# Altium PCB smoothieboard-5driver.PcbDoc (part 1 of 5)
Units mm, origin at the board's own origin, x right, y up, seen from the top; angles counter-clockwise.
Board outline 129.55 x 105.03 mm, 4 copper layers (Top, Route2, Route15, Bottom), stack 1.46 mm thick; 318 components, 238 nets, 1069 pads, 669 vias.
Unrouted connection lines stored in the file: 1.
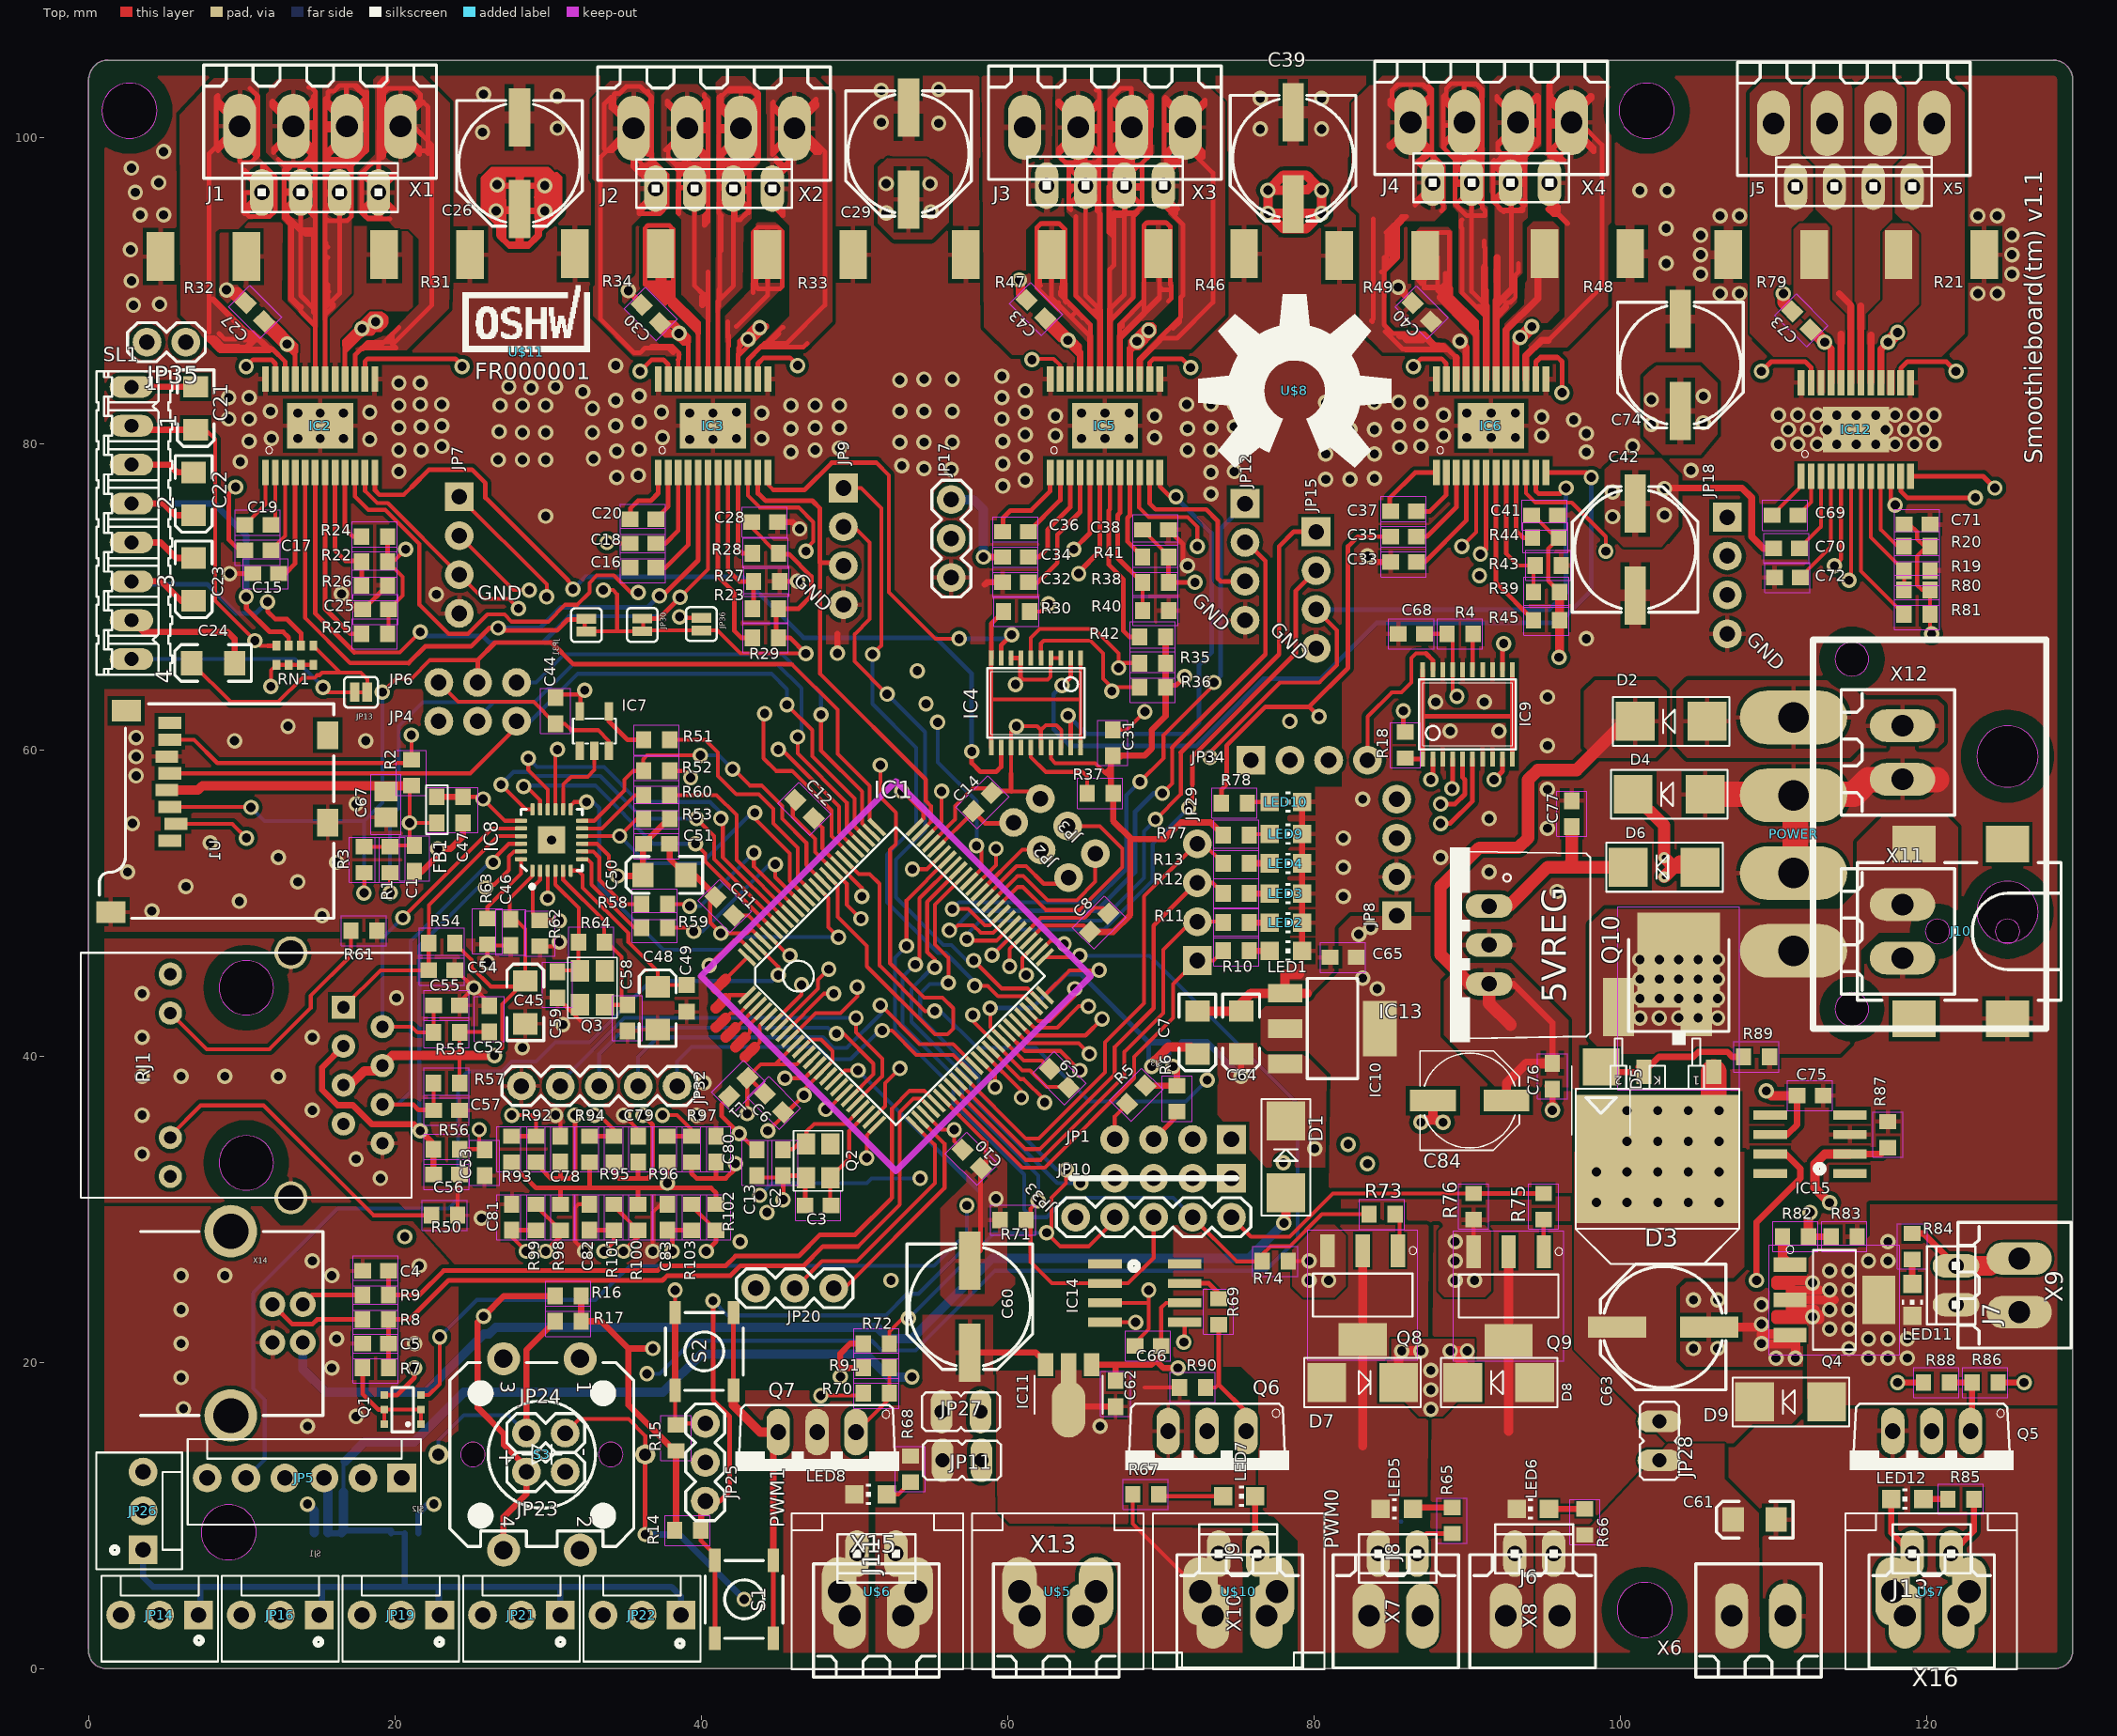
[diagram p0: Top view]
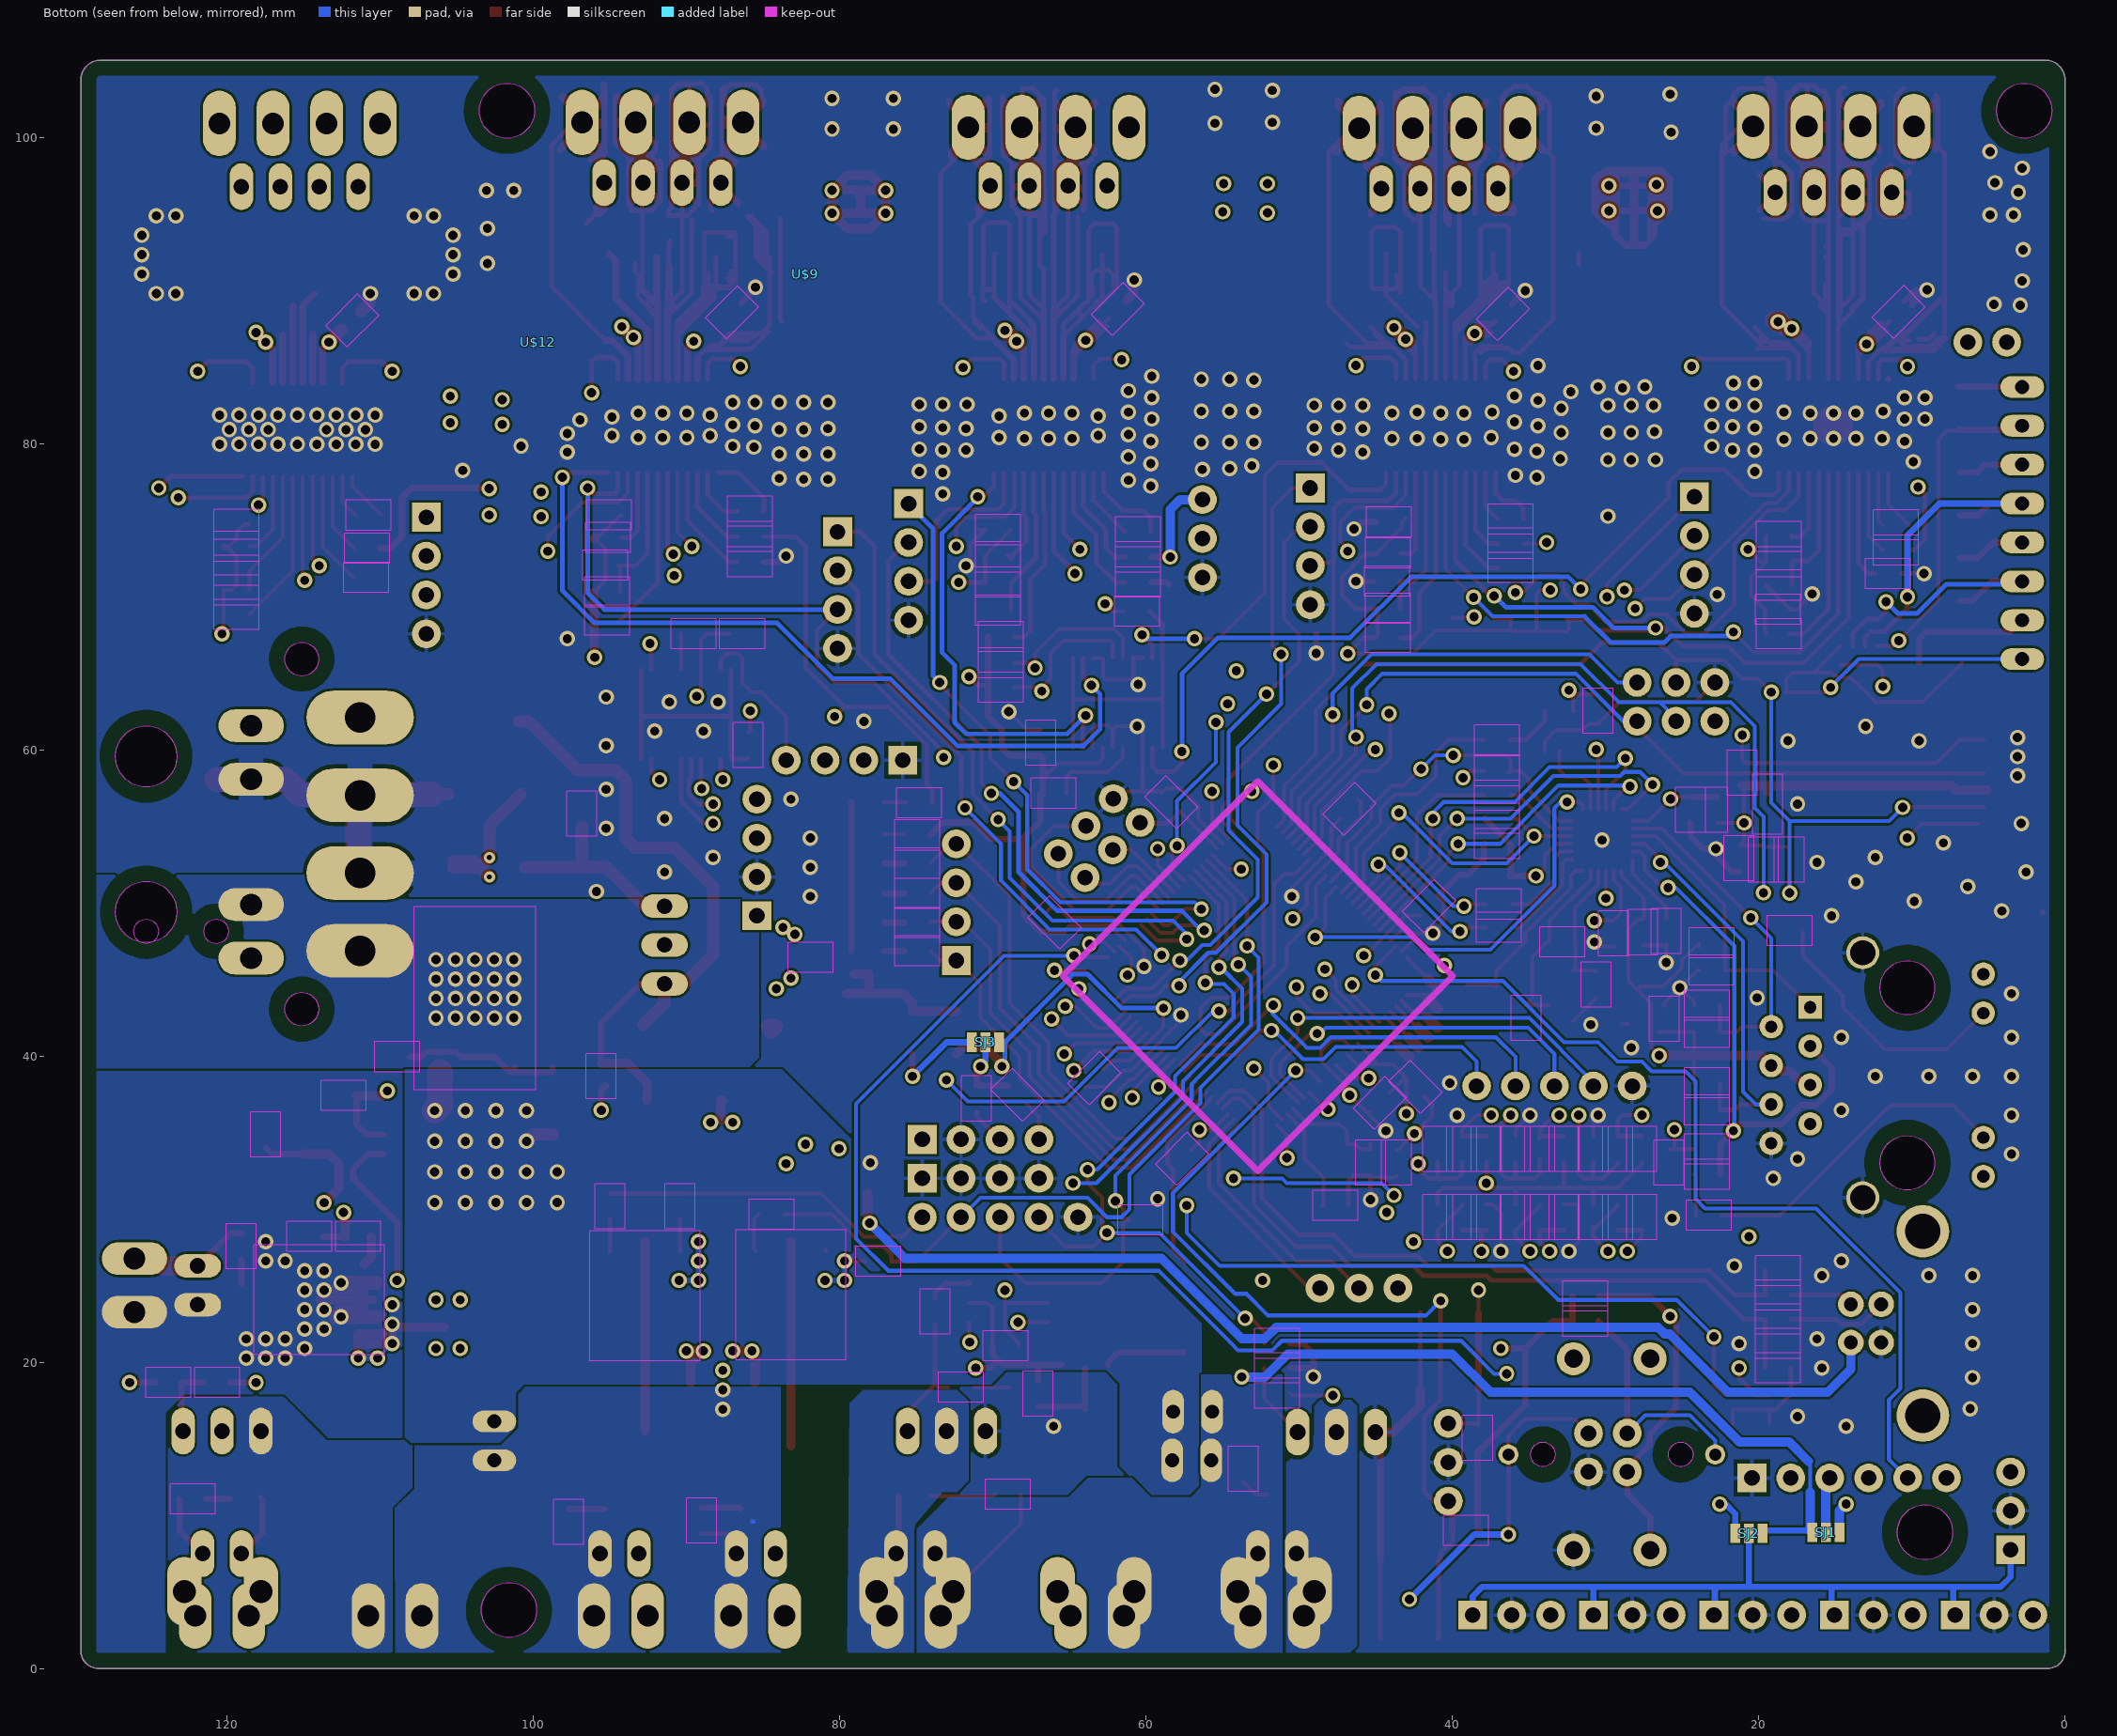
[diagram p1: Bottom view, seen from below]
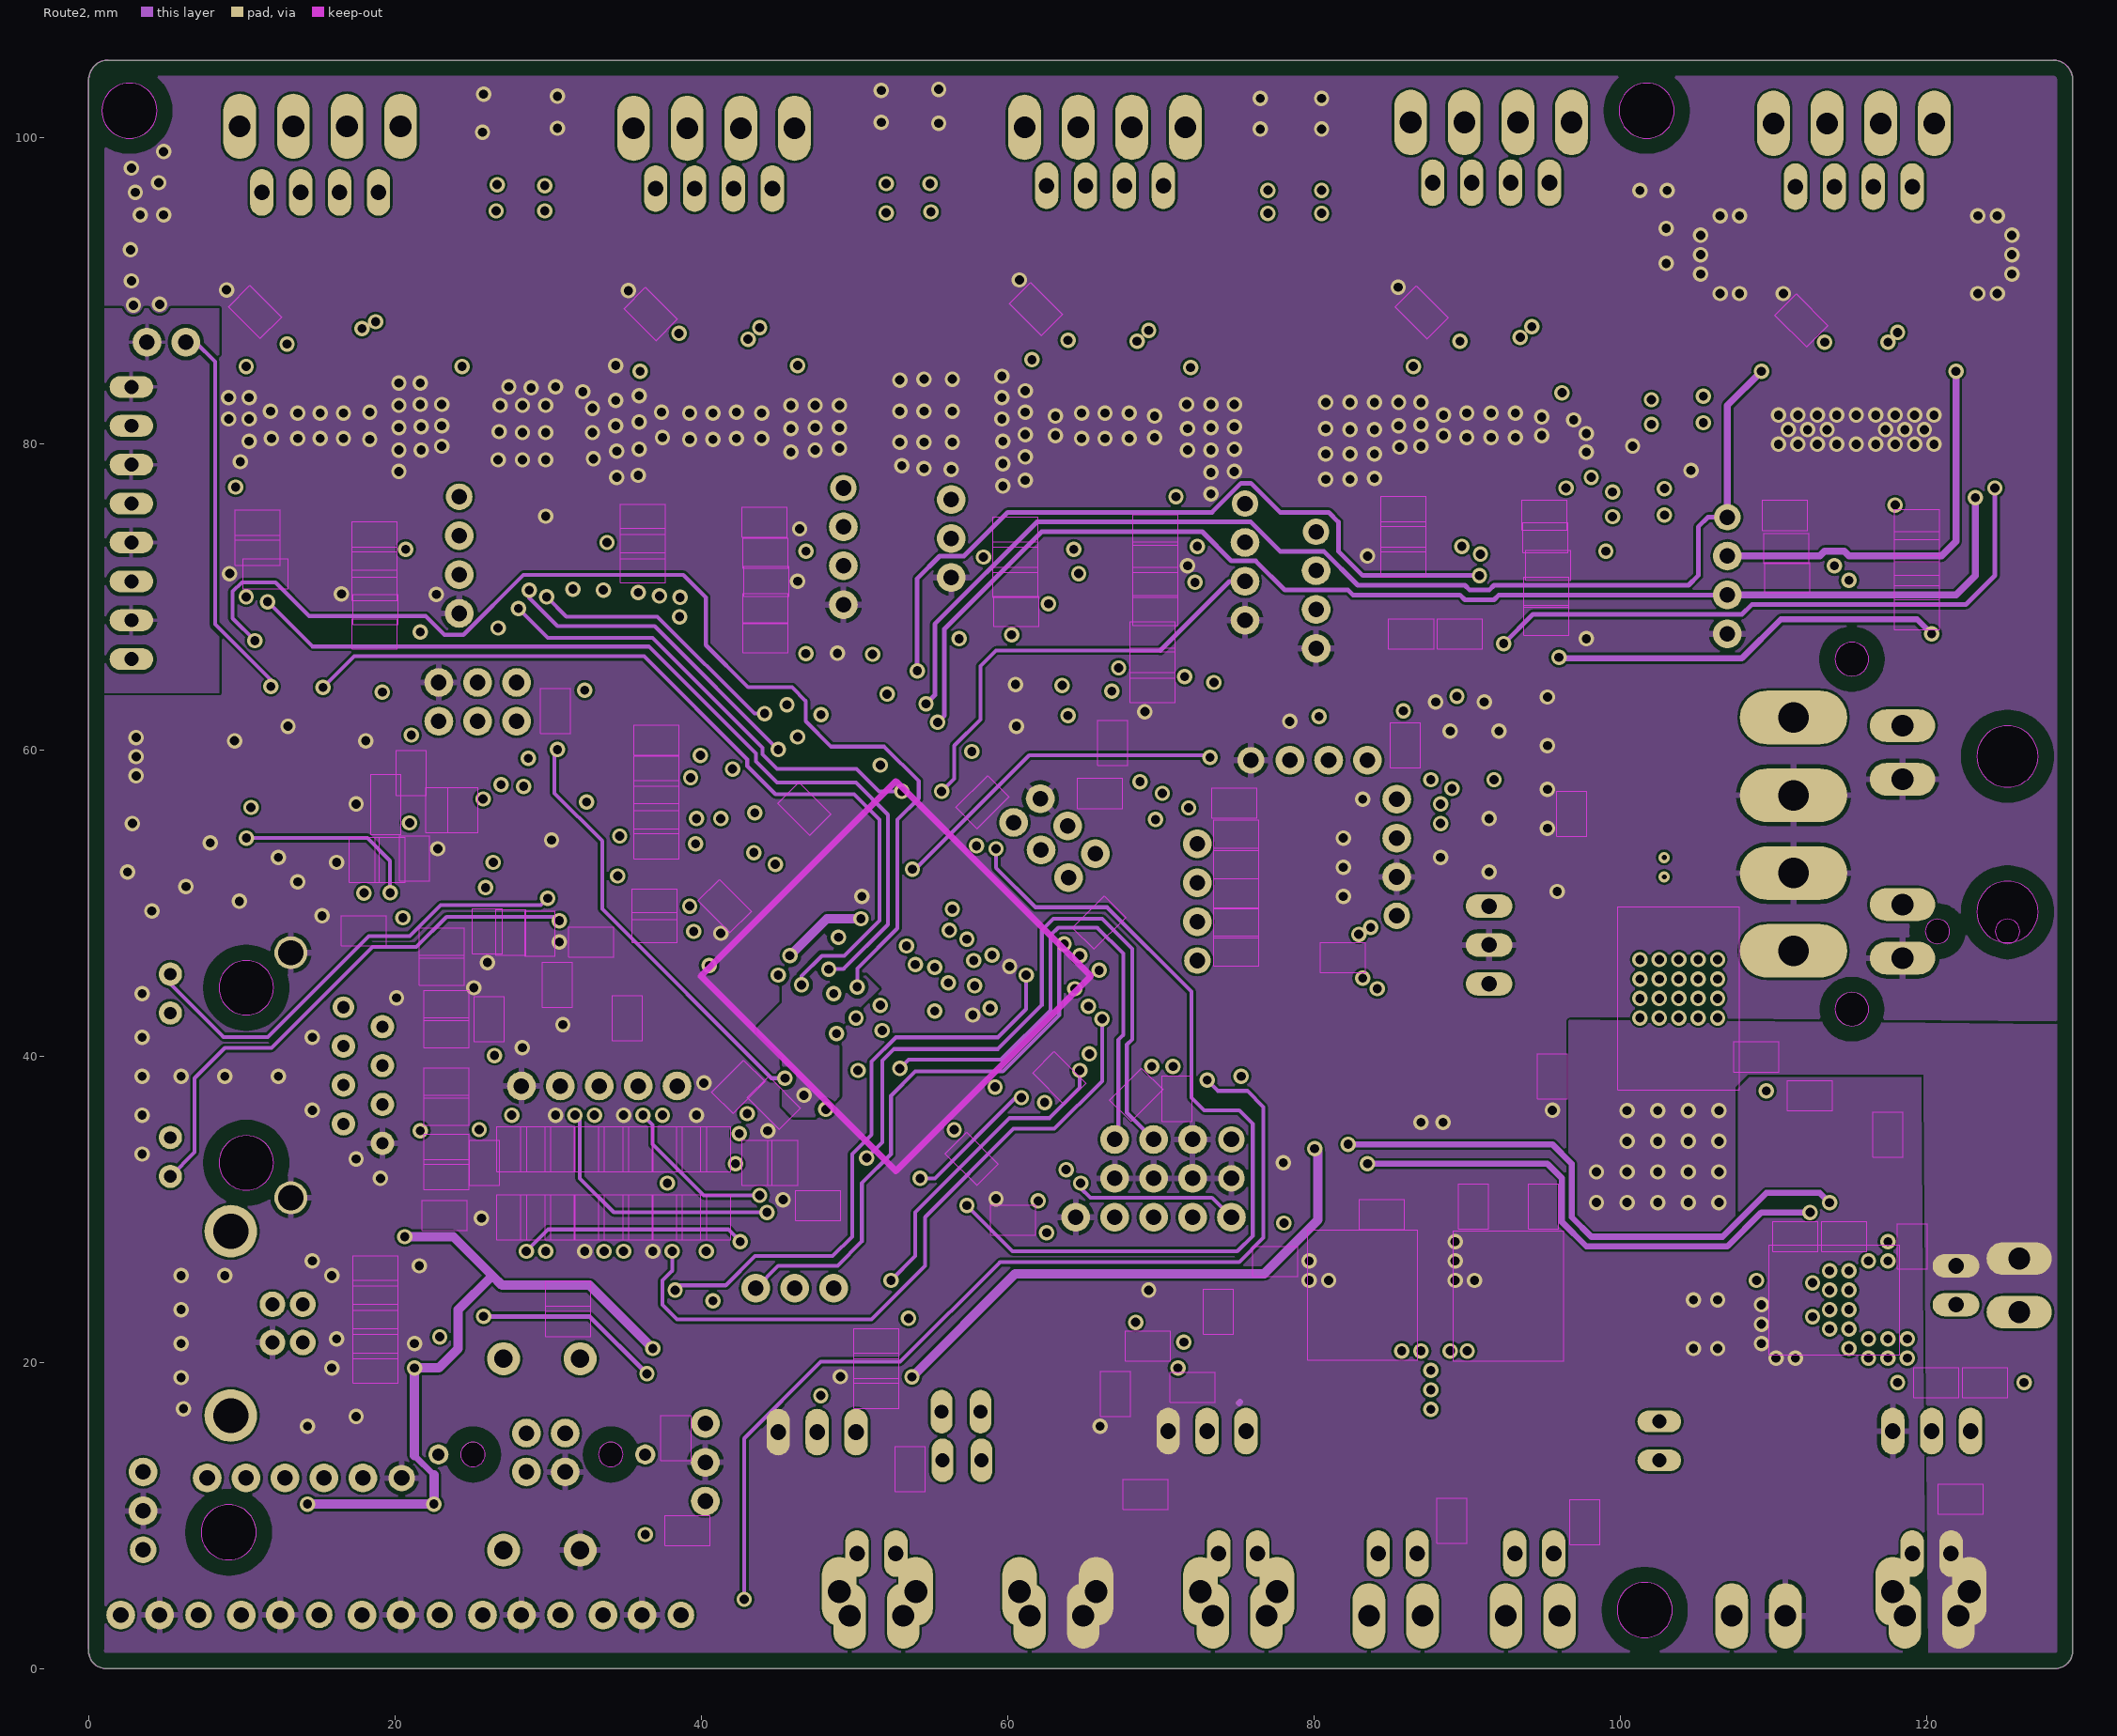
[diagram p2: Route2]
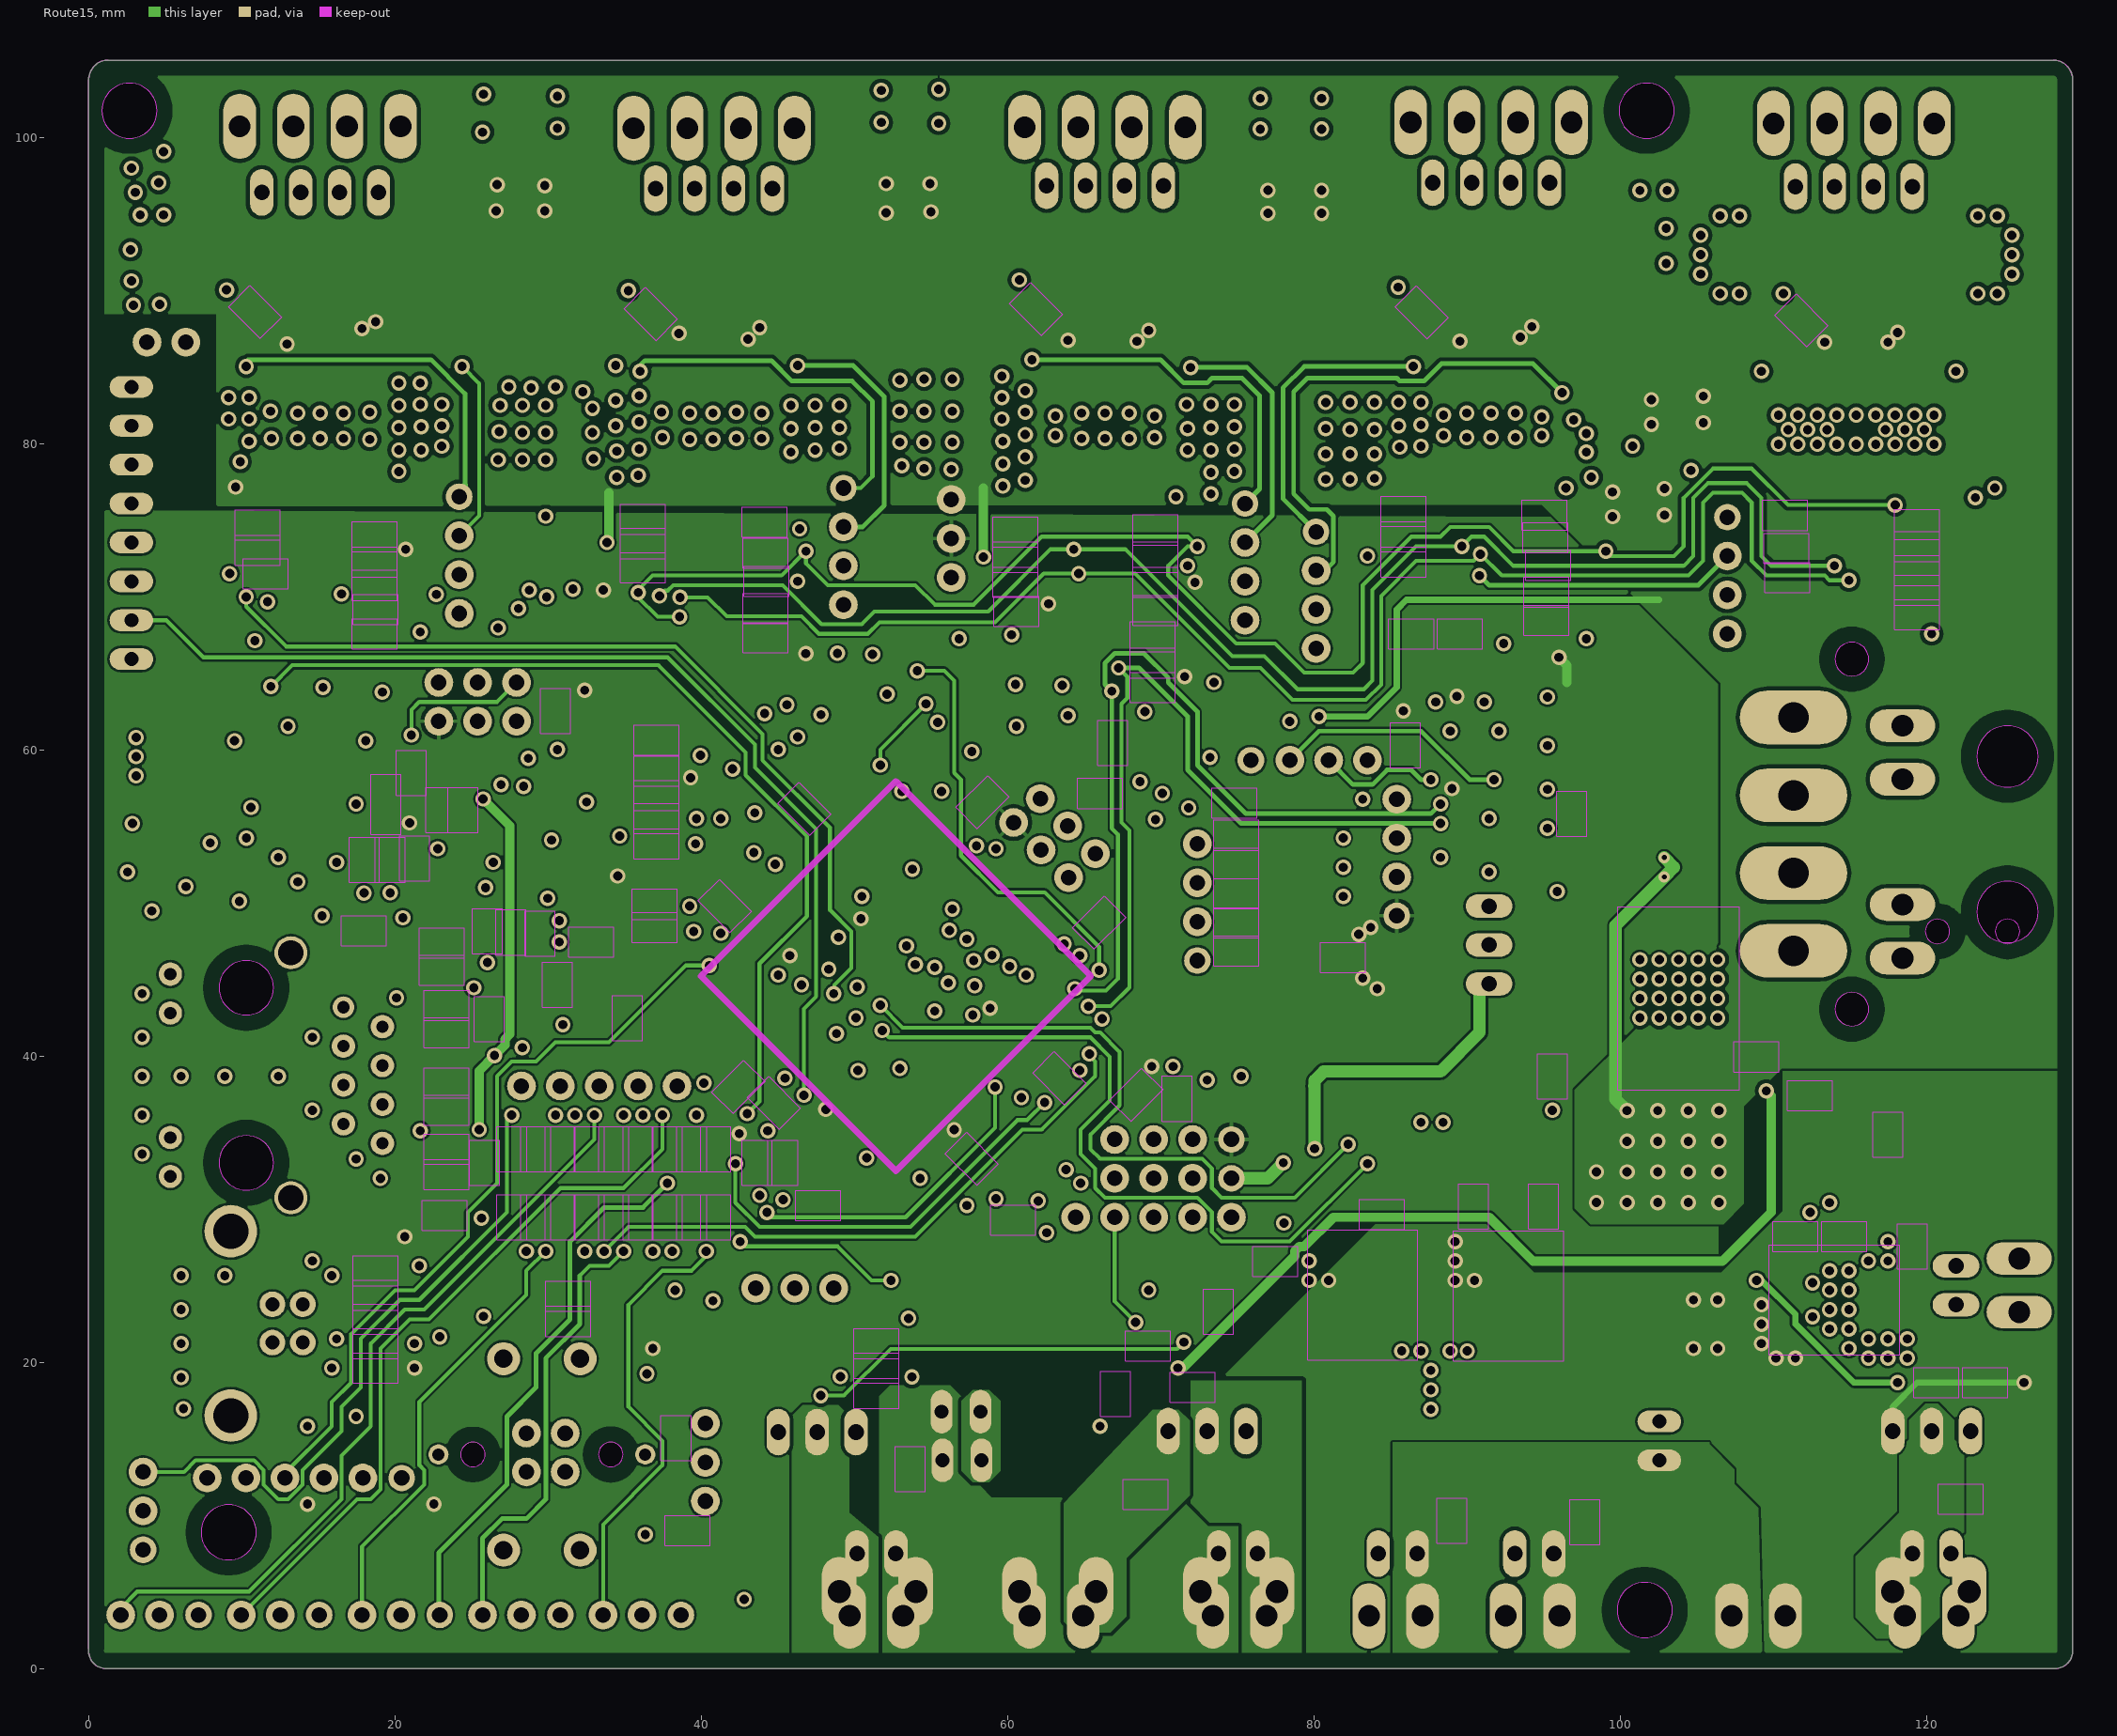
[diagram p3: Route15]

## Layer stack, top to bottom
Top Solder: solder mask 0.0102, Solder Resist, Dk 3.5
Top: signal copper 0.035
Dielectric 1: prepreg 0.5, FR-4, Dk 4.8
Route2: signal copper 0.035
Dielectric2: core 0.5, FR-4, Dk 4.8
Route15: signal copper 0.035
Dielectric3: dielectric 0.32, FR-4, Dk 4.8
Bottom: signal copper 0.035
Bottom Solder: solder mask 0.0102, Solder Resist, Dk 3.5

## Board outline
129.548,103.759 ccw(c128.278,103.759) 128.278,105.029 1.278,105.029 ccw(c1.279,103.758) 0.008,103.759 0.008,1.27 ccw(c1.143,1.135) 1.008,0 128.536,0 ccw(c128.407,1.141) 129.548,1.27
cut-out: 125.294,57.563 ccw(c125.294,59.563) 127.293,59.563 ccw(c125.294,59.563) 125.294,61.563 ccw(c125.294,59.563) 123.294,59.563 ccw(c125.294,59.563)
cut-out: 125.294,47.403 ccw(c125.294,49.403) 127.293,49.403 ccw(c125.294,49.403) 125.294,51.403 ccw(c125.294,49.403) 123.294,49.403 ccw(c125.294,49.403)
cut-out: 101.608,2.01 ccw(c101.608,3.81) 103.408,3.81 ccw(c101.608,3.81) 101.608,5.61 ccw(c101.608,3.81) 99.808,3.81 ccw(c101.608,3.81)
cut-out: 2.675,99.927 ccw(c2.675,101.727) 4.475,101.727 ccw(c2.675,101.727) 2.675,103.527 ccw(c2.675,101.727) 0.875,101.727 ccw(c2.675,101.727)
cut-out: 101.735,99.927 ccw(c101.735,101.727) 103.535,101.727 ccw(c101.735,101.727) 101.735,103.527 ccw(c101.735,101.727) 99.935,101.727 ccw(c101.735,101.727)
cut-out: 9.152,7.09 ccw(c9.152,8.89) 10.952,8.89 ccw(c9.152,8.89) 9.152,10.69 ccw(c9.152,8.89) 7.352,8.89 ccw(c9.152,8.89)
cut-out: 10.295,31.242 ccw(c10.295,33.02) 12.073,33.02 ccw(c10.295,33.02) 10.295,34.798 ccw(c10.295,33.02) 8.517,33.02 ccw(c10.295,33.02)
cut-out: 10.295,42.672 ccw(c10.295,44.45) 12.073,44.45 ccw(c10.295,44.45) 10.295,46.228 ccw(c10.295,44.45) 8.517,44.45 ccw(c10.295,44.45)
cut-out: 115.134,64.813 ccw(c115.134,65.913) 116.233,65.913 ccw(c115.134,65.913) 115.134,67.013 ccw(c115.134,65.913) 114.034,65.913 ccw(c115.134,65.913)
cut-out: 115.134,41.953 ccw(c115.134,43.053) 116.233,43.053 ccw(c115.134,43.053) 115.134,44.153 ccw(c115.134,43.053) 114.034,43.053 ccw(c115.134,43.053)
cut-out: 25.099,13.17 ccw(c25.099,13.97) 25.899,13.97 ccw(c25.099,13.97) 25.099,14.77 ccw(c25.099,13.97) 24.299,13.97 ccw(c25.099,13.97)
cut-out: 34.099,13.17 ccw(c34.099,13.97) 34.899,13.97 ccw(c34.099,13.97) 34.099,14.77 ccw(c34.099,13.97) 33.299,13.97 ccw(c34.099,13.97)
cut-out: 125.294,47.333 ccw(c125.294,48.133) 126.093,48.133 ccw(c125.294,48.133) 125.294,48.933 ccw(c125.294,48.133) 124.494,48.133 ccw(c125.294,48.133)
cut-out: 120.722,47.333 ccw(c120.722,48.133) 121.521,48.133 ccw(c120.722,48.133) 120.722,48.933 ccw(c120.722,48.133) 119.922,48.133 ccw(c120.722,48.133)

## Design rules (kind name [scope] priority, off if disabled: settings)
BoardOutlineClearance mdCopperDimension [All] p1: gap=0.254 ignorepadtopadclearanceinfootprint=FALSE except(0: Arc-SplitContinuation Track-SplitContinuation SMDPad-SplitContinuation THPad-SplitContinuation Via-SplitContinuation Fill-SplitContinuation Poly-SplitContinuation Region-SplitContinuation Text-SplitContinuation; 1.016: Poly-OutlineEdge Poly-CavityEdge Poly-CutoutEdge Poly-SplitBarrior)
Clearance Clearance_for_PolygonClass_Isolate_5 [InPolygonClass('Isolate_5') vs IsArc Or IsTrack Or IsPad Or IsVia Or IsFill Or IsRegion Or IsText] p1: gap=0.1 ignorepadtopadclearanceinfootprint=TRUE
Clearance Clearance_for_PolygonClass_Isolate_12 [InPolygonClass('Isolate_12') vs IsArc Or IsTrack Or IsPad Or IsVia Or IsFill Or IsRegion Or IsText] p2: gap=0.15 ignorepadtopadclearanceinfootprint=TRUE
Clearance Clearance_for_PolygonClass_Isolate_10 [InPolygonClass('Isolate_10') vs IsArc Or IsTrack Or IsPad Or IsVia Or IsFill Or IsRegion Or IsText] p3: gap=0.254 ignorepadtopadclearanceinfootprint=TRUE
Clearance "Clearance (Same Net)" [All] p4: gap=0.152 ignorepadtopadclearanceinfootprint=FALSE
Clearance [All] p5: gap=0.152 ignorepadtopadclearanceinfootprint=FALSE
HoleSize [All] p1: absolutevalues=TRUE maxlimit=2540 minlimit=0.305 maxpercent=80.000 minpercent=20.000
HoleToHoleClearance mdDrill [All] p1: gap=0.203 allowstackedmicrovias=TRUE
MinimumSolderMaskSliver [All] p1: minsoldermaskwidth=0.1
PasteMaskExpansion Expansion_SMDPaste_OFF [InPadClass('SMDPaste_OFF')] p1: expansion=0
PasteMaskExpansion mlMinCreamFrame [All] p2: expansion=0
PolygonConnect PolygonConnect_For_PolygonThermal_ON_Width100000_Gap100000 [InPolygonClass('PolygonThermal_ON_Width100000_Gap100000') vs Not IsVia] p1: connectstyle=Relief reliefconductorwidth=0.254 reliefentries=4 polygonreliefangle="90 Angle" airgapwidth=0.254
PolygonConnect PolygonConnect_For_PolygonThermal_ON_Width120000_Gap100000 [InPolygonClass('PolygonThermal_ON_Width120000_Gap100000') vs Not IsVia] p2: connectstyle=Relief reliefconductorwidth=0.305 reliefentries=4 polygonreliefangle="90 Angle" airgapwidth=0.254
PolygonConnect PolygonConnect_For_PolygonThermal_ON_Width660000_Gap100000 [InPolygonClass('PolygonThermal_ON_Width660000_Gap100000') vs Not IsVia] p3: connectstyle=Relief reliefconductorwidth=1.676 reliefentries=4 polygonreliefangle="90 Angle" airgapwidth=0.254
PolygonConnect PolygonConnect_For_PolygonThermal_ON_Width320000_Gap100000 [InPolygonClass('PolygonThermal_ON_Width320000_Gap100000') vs Not IsVia] p4: connectstyle=Relief reliefconductorwidth=0.813 reliefentries=4 polygonreliefangle="90 Angle" airgapwidth=0.254
PolygonConnect PolygonConnect_For_PolygonThermal_OFF [InPolygonClass('PolygonThermal_OFF')] p5: connectstyle=Direct reliefconductorwidth=0.254 reliefentries=4 polygonreliefangle="90 Angle" airgapwidth=0.254
PolygonConnect PolygonConnect_For_PolygonThermal_ON_Width160000_Gap100000 [InPolygonClass('PolygonThermal_ON_Width160000_Gap100000') vs Not IsVia] p6: connectstyle=Relief reliefconductorwidth=0.406 reliefentries=4 polygonreliefangle="90 Angle" airgapwidth=0.254
PolygonConnect PolygonConnect_For_PolygonThermal_ON_Width240000_Gap100000 [InPolygonClass('PolygonThermal_ON_Width240000_Gap100000') vs Not IsVia] p7: connectstyle=Relief reliefconductorwidth=0.61 reliefentries=4 polygonreliefangle="90 Angle" airgapwidth=0.254
PolygonConnect ThermalVias [IsVia] p8: connectstyle=Direct reliefconductorwidth=0.254 reliefentries=4 polygonreliefangle="90 Angle" airgapwidth=0.254
PolygonConnect [All] p9: connectstyle=Relief reliefconductorwidth=0.254 reliefentries=4 polygonreliefangle="90 Angle" airgapwidth=0.254
RoutingVias [All] p1: holewidth=0.305 width=0.711 viastyle="Through Hole" minholewidth=0.305 minwidth=0.711 maxholewidth=2.54 maxwidth=2.54
SolderMaskExpansion Via [IsVia] p1: expansion=0 istentingtop=TRUE
SolderMaskExpansion Expansion_SMDSolder_OFF [InPadClass('SMDSolder_OFF')] p2: expansion=0 istentingtop=FALSE
SolderMaskExpansion mlMinStopFrame [All] p3: expansion=0 istentingtop=FALSE
Width [All] p1: maxlimit=254 minlimit=0.254 preferedwidth=0.254
26 further rules are at their usual default settings.
